# Altium PCB Digitalizador_RPi.PcbDoc (part 1 of 3) (continued)
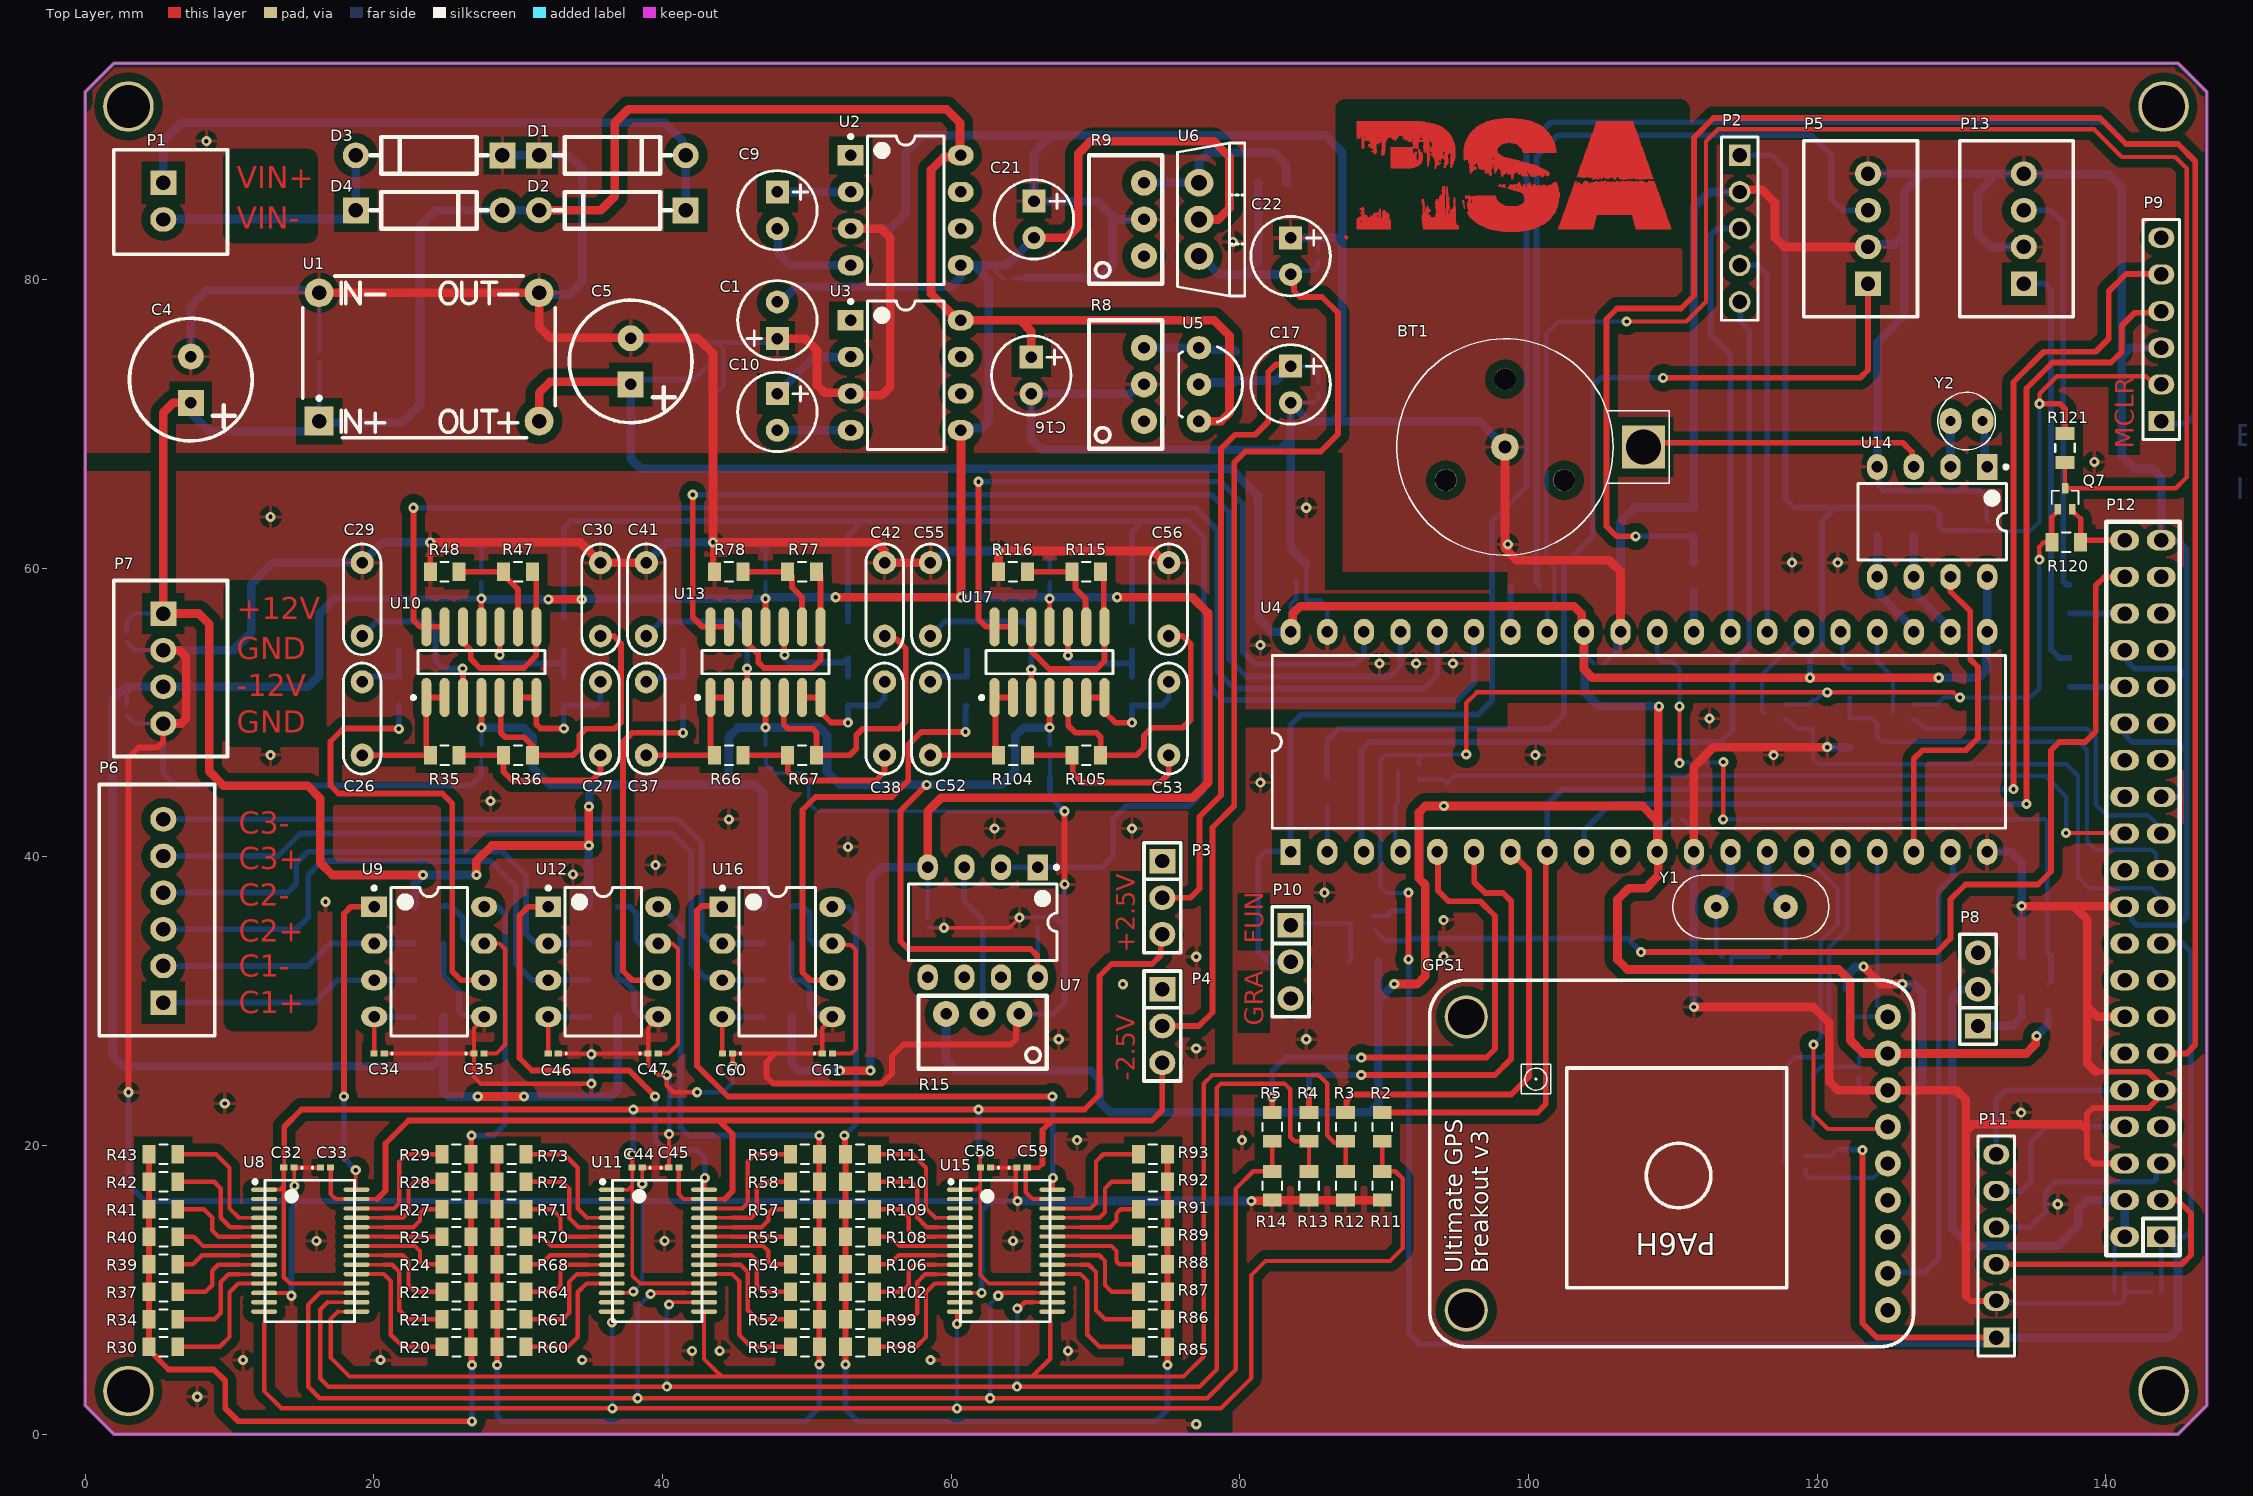
[diagram p0: Top Layer view]
## Components (designator, comment, footprint, x,y, rotation, side; value= is the part's Value field where it differs from the comment) (continued)
R66 "Res1" 0805 44.595,47.055 r0 top value=5.6K
R67 "Res1" 0805 49.675,47.055 r0 top value=68K
R68 "" 0805 29.545,11.78 r0 top value=R12
R69 "Res1" 0805 52.85,51.5 r90 bottom value=1K
R70 "" 0805 29.545,13.685 r0 top value=R13
R71 "" 0805 29.545,15.59 r0 top value=R14
R72 "" 0805 29.545,17.495 r0 top value=R15
R73 "" 0805 29.545,19.4 r0 top value=R16
R74 "Res1" 0805 52.85,55.31 r270 bottom value=1K
R75 "Res1" 0805 35.895,28.925 r180 bottom value=51
R76 "Res1" 0805 35.895,36.545 r0 bottom value=51
R77 "Res1" 0805 49.675,59.755 r0 top value=1K
R78 "Res1" 0805 44.595,59.755 r180 top value=1K
R79 "Res1" 0805 126.7,63.215 r270 bottom value=4.7k
R80 "Res1" 0805 124.16,63.215 r270 bottom value=4.7k
R81 "Res1" 0805 94.315,46.07 r90 bottom value=1k
R82 "Res1" 0805 91.775,43.53 r0 bottom value=1k
R83 "Res1" 0805 119.715,49.88 r90 bottom value=1k
R84 "Res1" 0805 117.175,52.42 r0 bottom value=1k
R85 "" 0805 73.995,6.065 r180 top value=R1
R86 "" 0805 73.995,7.97 r180 top value=R2
R87 "" 0805 73.995,9.875 r180 top value=R3
R88 "" 0805 73.995,11.78 r180 top value=R4
R89 "" 0805 73.995,13.685 r180 top value=R5
R90 "Res1" 0805 47.96,34.005 r180 bottom value=51.1K
R91 "" 0805 73.995,15.59 r180 top value=R6
R92 "" 0805 73.995,17.495 r180 top value=R7
R93 "" 0805 73.995,19.4 r180 top value=R8
R94 "Res1" 0805 128.605,49.88 r90 bottom value=1k
R95 "Res1" 0805 126.065,52.42 r0 bottom value=1k
R96 "Res1" 0805 91.775,35.275 r90 bottom value=10k
R97 "Res1" 0805 88.6,32.735 r0 bottom value=10k
R98 "" 0805 53.675,6.065 r0 top value=R9
R99 "" 0805 53.675,7.97 r0 top value=R10
R100 "Res1" 0805 61.105,51.5 r90 bottom value=5.6K
R101 "Res1" 0805 61.105,55.31 r90 bottom value=47K
R102 "" 0805 53.675,9.875 r0 top value=R11
R103 "Res1" 0805 47.96,31.465 r0 bottom value=51.1K
R104 "Res1" 0805 64.28,47.055 r0 top value=5.6K
R105 "Res1" 0805 69.36,47.055 r0 top value=68K
R106 "" 0805 53.675,11.78 r0 top value=R12
R107 "Res1" 0805 72.535,51.5 r90 bottom value=1K
R108 "" 0805 53.675,13.685 r0 top value=R13
R109 "" 0805 53.675,15.59 r0 top value=R14
R110 "" 0805 53.675,17.495 r0 top value=R15
R111 "" 0805 53.675,19.4 r0 top value=R16
R112 "Res1" 0805 72.535,55.31 r270 bottom value=1K
R113 "Res1" 0805 47.96,28.925 r180 bottom value=51
R114 "Res1" 0805 47.96,36.545 r0 bottom value=51
R115 "Res1" 0805 69.36,59.755 r0 top value=1K
R116 "Res1" 0805 64.28,59.755 r180 top value=1K
R117 "Res1" 0805 137.495,52.785 r270 bottom value=5k
R118 "Res1" 0805 137.495,57.865 r270 bottom value=5k
R119 "Res1" 0805 122.065,29.91 r270 bottom value=1k
R120 "Res1" 0805 137.26,61.8 r180 top value=10k
R121 "Res1" 0805 137.175,68.328 r90 top value=10k
U1 "STEP_DOWN_CONVERTER" STEP_DOWN_CONVERTER 15.08,69.035 r0 top
U2 "TC7662ACPA" DIP-8 56.85,84.805 r0 top
U3 "TC7662ACPA" DIP-8 56.85,73.375 r0 top
U4 "DSPIC30F3014-20I/P" DIP-40 83.52,40.355 r90 top
U5 "LM317LZ" TO-92B_2 77.17,72.74 r0 top
U6 "LM337H" TO-220V 77.17,86.71 r270 top
U7 "TL082D" DIP-8 62.185,35.475 r270 top
U8 "MULTIPLEXORADG706" MULTIPLEXORADG706SMD 12.4,16.95 r0 top
U9 "INA114" DIP-8 23.83,32.735 r0 top
U10 "TL084ACN" SOIC-14 23.64,51.045 r90 top
U11 "MULTIPLEXORADG706" MULTIPLEXORADG706SMD 36.48,16.95 r0 top
U12 "INA114" DIP-8 35.895,32.735 r0 top
U13 "TL084ACN" SOIC-14 43.325,51.045 r90 top
U14 "DS1307" DIP-8 127.97,63.215 r270 top
U15 "MULTIPLEXORADG706" MULTIPLEXORADG706SMD 60.61,16.95 r0 top
U16 "INA114" DIP-8 47.96,32.735 r0 top
U17 "TL084ACN" SOIC-14 63.01,51.045 r90 top
Y1 "XTAL-15MHz" CRISTAL10MHz 117.81,36.545 r180 top
Y2 "XTAL-32768" CRISTAL32768 129.24,70.2 r0 top

## Footprints (in the part's own frame and the unit in brackets; to place one, negate y for a bottom-side part, rotate by r counter-clockwise, add the part's x,y. Pads: shape width x height; smd on the part's side, far side on the other; paste and mask are expansions set on the pad)
0603 [mm] "Chip Inductor, Body 0.6x0.3mm, IPC High Density"
  rect 0.5x0.4 smd: 1(-0.35,0) 2(0.35,0)
  silkscreen extent -0.9,-0.05 -0.9,0.05, body extent -0.33,-0.18 0.33,0.18, height 0.55
0805 [mm] "Chip Resistor, Empaque 0805"
  rect 0.9x1.3 smd: 1(-1,0) 2(1,0)
  silkscreen extent -0.28,-0.67 0.3,0.67, body extent -1,-0.63 1,0.62, height 0.78
Bateria-DS1307 [mm]
  rect 3x3 hole 2.4: 0(0,0)
  round 1.9 hole 0.9: 1(9.6,0)
  round 1.524 hole 1.5: 2(5.5,2.3) 3(13.7,2.3) 4(9.6,-4.7)
  silkscreen extent -1.78,-7.5 17.1,7.5, body extent -1.8,-7.43 17.24,7.63, height 4.31
CAP_5.5MM [mm] "1-10-47uF"
  rect 1.6x1.6 hole 0.8: 1(0,0)
  round 1.6 hole 0.8: 2(2.54,0)
  silkscreen extent -1.48,-2.75 4.02,2.75, body extent -1.48,-2.75 4.02,2.75, height 12
CAP_8.5mm [mm] "330-470uF 25V"
  rect 1.8x1.8 hole 0.8: 1(1.6,0)
  round 1.8 hole 0.8: 2(-1.6,0)
  silkscreen extent -4.25,-4.25 4.25,4.25, body extent -4.25,-4.25 4.25,4.25, height 12.5
CRISTAL10MHz [mm]
  round 1.7 hole 0.7: 1(0,0) 2(4.8,0)
  silkscreen extent -3,-2.2 7.8,2.2
CRISTAL32768 [mm]
  oval 1.5x1.8 hole 0.7: 1(0,0) 2(2.222,0)
  silkscreen extent -0.88,-2 3.11,2
DIODE-0.4A [mm]
  rect 1.8x1.8 hole 1: 1(0,0)
  round 1.8 hole 1: 2(10.16,0)
  silkscreen extent 1.02,-1.27 9.14,1.27
DIP-8 [mm] "DIP; 8 Leads; Row Spacing 7.62 mm; Pitch 2.54 mm"
  rect 1.8x1.4 hole 0.8: 1(-3.81,3.81)
  oval 1.8x1.4 hole 0.8: 2(-3.81,1.27) 3(-3.81,-1.27) 4(-3.81,-3.81) 5(3.81,-3.81) 6(3.81,-1.27) 7(3.81,1.27) 8(3.81,3.81)
  silkscreen extent -3.93,-5.15 2.65,5.23, body extent -3.6,-5.15 3.6,5.15, height 5.08
DIP-40 [mm]
  rect 1.8x1.4 hole 0.8: 1(0,0)
  oval 1.8x1.4 hole 0.8: 2(0,-2.54) 3(0,-5.08) 4(0,-7.62) 5(0,-10.16) 6(0,-12.7) 7(0,-15.24) 8(0,-17.78) 9(0,-20.32) 10(0,-22.86) 11(0,-25.4) 12(0,-27.94) 13(0,-30.48) 14(0,-33.02) 15(0,-35.56) 16(0,-38.1) 17(0,-40.64) 18(0,-43.18) 19(0,-45.72) 20(0,-48.26) 21(15.24,-48.26) 22(15.24,-45.72) 23(15.24,-43.18) 24(15.24,-40.64) 25(15.24,-38.1) 26(15.24,-35.56) 27(15.24,-33.02) 28(15.24,-30.48) 29(15.24,-27.94) 30(15.24,-25.4) 31(15.24,-22.86) 32(15.24,-20.32) 33(15.24,-17.78) 34(15.24,-15.24) 35(15.24,-12.7) 36(15.24,-10.16) 37(15.24,-7.62) 38(15.24,-5.08) 39(15.24,-2.54) 40(15.24,0)
  silkscreen extent 1.63,-49.53 13.6,1.27
GPS_BREAKOUT_V3 [mm]
  round 1.8 hole 1: 0(0,0) 1(0,2.54) 2(0,5.08) 3(0,7.62) 4(0,10.16) 5(0,12.7) 6(0,15.24) 7(0,17.78) 8(0,20.32)
  round 3 hole 2.5: 9(29.21,0) 10(29.21,20.32)
  silkscreen extent -1.78,-2.54 31.75,22.86
HDR1X5 [mm] "Connector; Header; 5 Position"
  rect 1.5x1.5 hole 1: 1(0,0)
  round 1.5 hole 1: 2(2.54,0) 3(5.08,0) 4(7.62,0) 5(10.16,0)
  silkscreen extent -1.27,-1.27 11.43,1.27
HDR1X6 [mm] "Connector; Header; 6 Position"
  rect 1.4x1.8 hole 1: 1(0,0)
  oval 1.4x1.8 hole 1: 2(2.54,0) 3(5.08,0) 4(7.62,0) 5(10.16,0) 6(12.7,0)
  silkscreen extent -1.27,-1.27 13.97,1.27
MOLEX-2 [mm]
  rect 1.7x1.8 hole 1: 1(0,0)
  oval 1.7x1.8 hole 1: 2(2.54,0)
  silkscreen extent -2.29,-3.43 4.95,4.44, body extent -2.31,-3.5 4.9,4.4, height 10.4
MOLEX-4 [mm]
  rect 1.7x1.8 hole 1: 1(0,0)
  oval 1.7x1.8 hole 1: 2(2.54,0) 3(5.08,0) 4(7.62,0)
  silkscreen extent -2.29,-3.43 9.91,4.45, body extent -2.33,-3.5 9.96,4.4, height 10.5
MOLEX-6 [mm]
  rect 1.7x1.8 hole 1: 1(0,0)
  oval 1.7x1.8 hole 1: 2(2.54,0) 3(5.08,0) 4(7.62,0) 5(10.16,0) 6(12.7,0)
  silkscreen extent -2.29,-3.56 15.11,4.44, body extent -2.33,-3.5 15.04,4.4, height 10.4
MULTIPLEXORADG706SMD [mm]
  oval 1.8x0.3 smd: 1(0,0) 2(0,-0.65) 3(0,-1.3) 4(0,-1.95) 5(0,-2.6) 6(0,-3.25) 7(0,-3.9) 8(0,-4.55) 9(0,-5.2) 10(0,-5.85) 11(0,-6.5) 12(0,-7.15) 13(0,-7.8) 14(0,-8.45) 15(6.4,-8.45) 16(6.4,-7.8) 17(6.4,-7.15) 18(6.4,-6.5) 19(6.4,-5.85) 20(6.4,-5.2) 21(6.4,-4.55) 22(6.4,-3.9) 23(6.4,-3.25) 24(6.4,-2.6) 25(6.4,-1.95) 26(6.4,-1.3) 27(6.4,-0.65) 28(6.4,0)
  silkscreen extent -0.75,-9.15 6.25,0.67, body extent 0.7,-9.15 5.7,0.65, height 2.65
RAD0.2 [mm]
  round 1.6 hole 0.8: 1(0,0) 2(5.08,0)
  silkscreen extent -1.3,-1.3 6.38,1.3
SIP-1X3-M [mm]
  rect 1.7x1.8 hole 1: 1(0,0)
  oval 1.7x1.8 hole 1: 2(2.54,0) 3(5.08,0)
  silkscreen extent -1.27,-1.27 6.35,1.27, body extent -1.12,-1.16 6.2,1.16, height 10.04
SIP-2X20-M [mm]
  rect 1.4x2 hole 1: 1(0,0)
  oval 1.4x2 hole 1: 2(0,2.54) 3(2.54,0) 4(2.54,2.54) 5(5.08,0) 6(5.08,2.54) 7(7.62,0) 8(7.62,2.54) 9(10.16,0) 10(10.16,2.54) 11(12.7,0) 12(12.7,2.54) 13(15.24,0) 14(15.24,2.54) 15(17.78,0) 16(17.78,2.54) 17(20.32,0) 18(20.32,2.54) 19(22.86,0) 20(22.86,2.54) 21(25.4,0) 22(25.4,2.54) 23(27.94,0) 24(27.94,2.54) 25(30.48,0) 26(30.48,2.54) 27(33.02,0) 28(33.02,2.54) 29(35.56,0) 30(35.56,2.54) 31(38.1,0) 32(38.1,2.54) 33(40.64,0) 34(40.64,2.54) 35(43.18,0) 36(43.18,2.54) 37(45.72,0) 38(45.72,2.54) 39(48.26,0) 40(48.26,2.54)
  silkscreen extent -1.27,-1.27 49.53,3.81, body extent -1.27,-1.27 49.53,3.81, height 9.2
SOIC-14 [mm]
  oval 2.7x0.7 smd: 1(0,0) 2(0,-1.27) 3(0,-2.54) 4(0,-3.81) 5(0,-5.08) 6(0,-6.35) 7(0,-7.62) 8(4.9,-7.62) 9(4.9,-6.35) 10(4.9,-5.08) 11(4.9,-3.81) 12(4.9,-2.54) 13(4.9,-1.27) 14(4.9,0)
  silkscreen extent -0.12,-8.21 3.25,1.02, body extent 0.45,-8.19 4.45,0.57, height 1.75
SOT23-3L [mm] "SOT23, 3-Leads, Body 2.9x1.3mm, Pitch 0.95mm, Lead Span 2.5mm, IPC High Density"
  rect 0.7x1.2 smd: 1(0,0.9) 2(-0.95,-0.9) 3(0.95,-0.9)
  silkscreen extent -1.92,-1.02 1.5,0.7, body extent -1.46,-1.27 1.46,1.21, height 1
SOT523 [mm] "3 Lead SC75; EIAJ-SC75; SOT523; SOT416?"
  round 0.254 on Mech15: 0(0,0)
  rrect25% 0.75x0.45 smd: 1(-0.725,0.5) 2(-0.725,-0.5) 3(0.725,0)
  silkscreen extent -0.37,-0.92 0.55,0.93, body extent -0.85,-0.83 0.85,0.82, height 0.9
STEP_DOWN_CONVERTER [mm]
  rect 2x2 hole 1: 1(1.13,1.165)
  round 2 hole 1: 2(1.13,10.055) 3(16.37,1.165) 4(16.37,10.055)
  silkscreen extent 0,0 17.5,11.22, body extent -0.14,-0.1 17.64,11.33, height 6.63
TO-92B_2 [mm] "LM317"
  oval 1.7x1.6 hole 0.8: 1(0,2.54) 2(0,-2.54) 3(0,0)
  silkscreen extent -1.4,-2.61 3.02,2.61, body extent -1.35,-2.78 2.6,2.78, height 8.4
TO-220V [mm]
  oval 1.9x2 hole 1.1: 1(0,0) 2(5.08,0) 3(2.54,0)
  silkscreen extent -2.75,-1.48 7.83,3.17, body extent -2.56,-1.8 7.6,2.8, height 18.9
VR-5t [mm]
  round 1.8 hole 0.8: 1(0,0) 2(5.08,0) 3(2.54,0)
  silkscreen extent -1.9,-3.81 6.99,1.27, body extent -1.9,-3.81 6.99,1.27, height 9.7

## Part data
BT1: library part BateriaDS1307
C1 C4 C5 C9 C10 C16 C17 C21 C22: "Polarized Capacitor (Radial)", LatestRevisionDate=17-Jul-2002, LatestRevisionNote="Re-released for DXP Platform.", PackageDescription="Polarized Capacitor (Radial); 2 Leads", PackageReference=RB7.6-15, Published=8-Jun-2000, Publisher="Altium Limited"
C2 C3 C6 C7 C8 C11 C12 C13 C14 C15 C18 C19 C20 C23 C24 C25 C26 C27 C28 C29 C30 C31 C34 C35 C36 C37 C38 C39 C40 C41 C42 C43 C46 C47 C48 C49 C50 C51 C52 C53 C54 C55 C56 C57 C60 C61: "Capacitor", LatestRevisionDate=17-Jul-2002, LatestRevisionNote="Re-released for DXP Platform.", PackageDescription="Radial Cap, Thru-Hole; 2 Leads; 0.3 in Pin Spacing", PackageReference=RAD-0.3, Published=8-Jun-2000, Publisher="Altium Limited"
C32 C33 C44 C45 C58 C59: library part "Capacitor ceramico", "Capacitor ceramico"
D1 D2 D3 D4: "1 Amp General Purpose Rectifier", Code_JEDEC=DO-204-AL, ComponentLink1Description="Manufacturer Link", ComponentLink1URL=http://www.fairchildsemi.com/, ComponentLink2Description=Datasheet, ComponentLink2URL=http://www.fairchildsemi.com/ds/1N%2F1N4001.pdf, DatasheetVersion=1998, LatestRevisionDate=17-Jul-2002, LatestRevisionNote="Re-released for DXP Platform.", PackageDescription="Diode, Axial; Body 5.2 x 2.7 mm (LxDia. max), Lead Dia. 0.86 mm (max)", PackageReference=DO-41, PackageVersion=Aug-1999, Published=8-Jun-2000, Publisher="Altium Limited"
P1: library part "Header 2", "Header, 2-Pin", LatestRevisionDate=17-Jul-2002, LatestRevisionNote="Re-released for DXP Platform.", Publisher="Altium Limited"
P2: library part "Header 5", "Header, 5-Pin", LatestRevisionDate=17-Jul-2002, LatestRevisionNote="Re-released for DXP Platform.", Publisher="Altium Limited"
P3 P4 P8 P10: library part "Header 3", "Header, 3-Pin", LatestRevisionDate=17-Jul-2002, LatestRevisionNote="Re-released for DXP Platform.", Publisher="Altium Limited"
P5 P7 P13: library part "Header 4", "Header, 4-Pin", LatestRevisionDate=17-Jul-2002, LatestRevisionNote="Re-released for DXP Platform.", Publisher="Altium Limited"
P6 P9 P11: library part "Header 6", "Header, 6-Pin", LatestRevisionDate=17-Jul-2002, LatestRevisionNote="Re-released for DXP Platform.", Publisher="Altium Limited"
P12: library part "Header 20X2", "Header, 20-Pin, Dual row", LatestRevisionDate=17-Jul-2002, LatestRevisionNote="Re-released for DXP Platform.", Publisher="Altium Limited"
Q1: library part MOSFET-P, "P-Channel MOSFET", LatestRevisionDate=17-Jul-2002, LatestRevisionNote="Re-released for DXP Platform.", PackageDescription="TO, Flat Index; 3 In-Line, Axial Leads; Body Dia. 4.6mm; Lead Dia. 0.5 mm (max)", PackageReference=E3, PackageVersion=1995/1996, Published=8-Jun-2000, Publisher="Altium Limited"
Q2 Q3 Q4 Q5 Q6 Q7: library part 2N7002T-7-F
R1 R2 R3 R4 R5 R6 R7 R10 R11 R12 R13 R14 R16 R17 R18 R19 R23 R26 R31 R32 R33 R35 R36 R38 R44 R45 R46 R47 R48 R49 R50 R56 R62 R63 R65 R66 R67 R69 R74 R75 R76 R77 R78 R79 R80 R81 R82 R83 R84 R90 R94 R95 R96 R97 R100 R101 R103 R104 R105 R107 R112 R113 R114 R115 R116 R117 R118 R119 R120 R121: "Resistor", LatestRevisionDate=17-Jul-2002, LatestRevisionNote="Re-released for DXP Platform.", PackageDescription="Axial Device, Thru-Hole; 2 Leads; 0.3 in Pin Spacing", PackageReference=AXIAL-0.3, Published=8-Jun-2000, Publisher="Altium Limited"
R8 R9 R15: "Potentiometer", LatestRevisionDate=17-Jul-2002, LatestRevisionNote="Re-released for DXP Platform.", PackageDescription="Variable Resistor, Thru-Hole; 3 Leads", PackageReference=VR5, Published=8-Jun-2000, Publisher="Altium Limited", Set Position=0.5, Sim Note="Enter the Resistance value and the set point into parameter fields."
R20 R21 R22 R24 R25 R27 R28 R29 R30 R34 R37 R39 R40 R41 R42 R43 R51 R52 R53 R54 R55 R57 R58 R59 R60 R61 R64 R68 R70 R71 R72 R73 R85 R86 R87 R88 R89 R91 R92 R93 R98 R99 R102 R106 R108 R109 R110 R111: library part Res1, "Resistor", LatestRevisionDate=17-Jul-2002, LatestRevisionNote="Re-released for DXP Platform.", PackageDescription="Axial Device, Thru-Hole; 2 Leads; 0.3 in Pin Spacing", PackageReference=AXIAL-0.3, Published=8-Jun-2000, Publisher="Altium Limited"
U2 U3: "Super Charge Pump DC-to-DC Voltage Converter, 12kHz, 8-Pin PDIP, Commercial Temperature", Supplier Part Number 1=TC7662ACPA-ND, Code_JEDEC=MS-001-BA, ComponentLink1Description=Datasheet, ComponentLink1URL=http://ww1.microchip.com/downloads/en/DeviceDoc/21468b.pdf, ComponentLink2Description="Packaging Specification", ComponentLink2URL=http://www.microchip.com/stellent/groups/techpub_sg/documents/packagingspec/en012702.pdf, ComponentLink3Description="Microchip.com Home", ComponentLink3URL=http://www.microchip.com/, DatasheetVersion="revB, Nov-2002", PackageDescription="8-Lead Plastic Dual In-Line (PA) - 300 mil Body [PDIP]", PackageReference=PDIP300-PA8, PackageVersion="revBB, Aug-2009", Published=29-Jan-2009, Publisher="Altium Limited", Supplier 1=Digi-Key, Supplier 2=Farnell, Supplier Part Number 2=1196817
U4: "High-Performance 16-bit Digital Signal Controller, 24 KB Flash, 2 KB SRAM, 1 KB EEPROM, 40-Pin PDIP, Industrial Temperature", Supplier Part Number 1=DSPIC30F3014-20IP-ND, ComponentLink1Description=Datasheet, ComponentLink1URL=http://ww1.microchip.com/downloads/en/DeviceDoc/70138F.pdf, ComponentLink2Description="Packaging Specification", ComponentLink2URL=http://www.microchip.com/stellent/groups/techpub_sg/documents/packagingspec/en012702.pdf, ComponentLink3Description="Microchip.com Home", ComponentLink3URL=http://www.microchip.com/, DatasheetVersion="revF, Apr-2008", PackageDescription="40-Lead Plastic Dual In-Line (P) - 600 mil Body [PDIP]", PackageReference=PDIP600-P40, PackageVersion="revBB, Aug-2009", Published=29-Jan-2009, Publisher="Altium Limited", Supplier 1=Digi-Key, Supplier 2=Farnell, Supplier Part Number 2=1621779
U5: "Low-Current 1.2V to 37V Voltage Regulator", ComponentLink1Description="Manufacturer Link", ComponentLink1URL=http://www.st.com/, ComponentLink2Description=Datasheet, ComponentLink2URL=http://www.st.com/stonline/products/literature/ds/2168/lm217l.pdf, DatasheetVersion=Apr-1994, LatestRevisionDate=17-Jul-2002, LatestRevisionNote="Re-released for DXP Platform.", PackageDescription="TO, Flat Index; 3 In-Line, Axial Leads; Body Dia. 4.8mm; Leads 0.51 x 0.51 mm (max)", PackageReference=TO92-132, Published=24-Aug-2001, Publisher="Altium Limited"
U6: "Three-Terminal Adjustable Negative Voltage Regulator", ComponentLink1Description="Manufacturer Link", ComponentLink1URL=http://www.st.com/, ComponentLink2Description=Datasheet, ComponentLink2URL=http://www.st.com/stonline/products/literature/ds/2167/lm137.pdf, DatasheetVersion=Mar-1993, LatestRevisionDate=17-Jul-2002, LatestRevisionNote="Re-released for DXP Platform.", PackageDescription="Can; 3 Leads; Pin Circle Dia. 5.08 mm; Lead Dia. 0.49 mm (max)", PackageReference=TO-39, Published=24-Aug-2001, Publisher="Altium Limited"
U7: "JFET-Input Operational Amplifier", Code_IPC=SOIC127P600-8, ComponentLink1Description="Manufacturer Link", ComponentLink1URL=http://www.ti.com/, ComponentLink2Description=Datasheet, ComponentLink2URL=http://www-s.ti.com/sc/ds/tl082.pdf, DatasheetVersion=Feb-1999, LatestRevisionDate=13-Apr-2006, LatestRevisionNote="IPC-7351 Footprint Added.", PackageDescription="8-Pin Small Outline Integrated Circuit 1.27 mm Pitch", PackageReference=D008, PackageVersion=Jan-1998, Published=16-Jan-2001, Publisher="Altium Limited"
U10 U13 U17: "General-Purpose J-FET Quad Operational Amplifier", ComponentLink1Description="Manufacturer Link", ComponentLink1URL=http://www.st.com/, ComponentLink2Description=Datasheet, ComponentLink2URL=http://www.st.com/stonline/products/literature/ds/2301/tl084.pdf, DatasheetVersion=Jan-1999, LatestRevisionDate=06-Jun-2005, LatestRevisionNote="Stylized 3D Model Added.", PackageDescription="DIP; 14 Leads; Row Spacing 7.62 mm; Pitch 2.54 mm", PackageReference=DIP14, PackageVersion=Jan-1997, Published=24-Aug-2001, Publisher="Altium Limited"
Y1 Y2: library part XTAL, "Crystal Oscillator", LatestRevisionDate=17-Jul-2002, LatestRevisionNote="Re-released for DXP Platform.", PackageDescription="Crystal, Thru-Hole; 2 Leads; Body 3.1 x 8.2 mm (Dia.xH)", PackageReference=R38, Published=8-Jun-2000, Publisher="Altium Limited"

## Free pads (board coordinates)
  round 3.5 hole 3: ""(3,3) ""(3,92) ""(144,3) ""(144,92)

## Via types
v1: diameter 0.7, hole 0.3, Top Layer to Bottom Layer, 172 vias

## Nets (pads, with @x,y where several pads share a name; then routed paths per layer and width w, separated by ;. In a path a pad name is that pad's centre, name@x,y a point inside that pad or via, vN(x,y) a via of type N, cw(c..) or ccw(c..) an arc to the next point about the centre after c; other vN are vias at no path point)
5V_RPi: C50.2 C51.2 P8.2 P12.2 P12.4 | length 39.1
  Bottom Layer w0.3: C50.2@140.605,9.875 C51.2@140.605,11.145 140.605,12.987 141.303,13.685 P12.2@141.305,13.685
  Bottom Layer w0.6: P8.2@131.145,30.83 129.93,30.83 129.355,30.255 129.355,14.284 130.569,13.07 136.68,13.07 138.07,14.46 138.07,15.59 138.705,16.225 P12.4@141.305,16.225 P12.2@141.305,13.685
+2.5V: C32.2 C44.2 C58.2 P3.3 U8.1 U8.18 U11.1 U11.18 U15.1 U15.18 | length 125.7
  Top Layer w0.254: U8.1@12.4,16.95 12.409,16.959 13.509,16.959 13.65,17.1 ; C32.2@13.765,18.48 13.79,18.505 13.79,19.2 ; 17.465,10.45 U8.18@18.8,10.45 ; U11.1@36.48,16.95 36.489,16.941 37.579,16.941 37.6,16.92 37.895,17.215 ; C44.2@37.895,18.48 37.895,17.215 ; U11.18@42.88,10.45 38.455,10.45 37.895,11.01 37.895,17.215 ; U15.1@60.619,16.959 61.719,16.959 ; C58.2@62.025,18.48 v1(62.025,19.5) ; 65.615,10.45 U15.18@67.01,10.45
  Top Layer w0.255: 61.719,16.959 62.025,17.265 ; C58.2@62.025,18.48 62.025,17.265 ; 65.615,10.45 62.6,10.45 62.025,11.025 62.025,17.265
  Top Layer w0.3: 13.65,17.1 13.765,17.215 ; C32.2@13.765,18.48 13.765,17.215 ; 17.465,10.45 14.2,10.45 13.765,10.885 13.765,17.215 ; C44.2@37.895,18.48 v1(37.895,19.4)
  Top Layer w0.4: 13.79,19.2 13.79,21.305 14.985,22.5 v1(37.98,22.5) v1(61.9,22.5) 69.23,22.5 70.275,23.545 70.275,31.75 71.11,32.585 73.92,32.585 74.525,33.19 74.525,34.535 P3.3@74.63,34.64
  Bottom Layer w0.4: v1(37.895,19.4) 37.98,19.485 v1(37.98,22.5) ; v1(61.9,22.5) 61.9,19.706 62.025,19.581 v1(62.025,19.5)
+3.3V: C48.2 C49.2 P11.1 P12.1 P12.17 Q2.1 Q3.1 Q4.1 Q5.1 Q6.1 Q7.1 R49.2 R81.2 R83.2 R94.2 R96.2 R120.2 | length 230.7
  Top Layer w0.3: v1(95.69,47.1) 95.69,50.67 96.425,51.405 v1(120.7,51.405) 129.442,51.405 129.792,51.055 v1(129.9,51.055) ; v1(135.4,60.6) 135.4,61.5 135.7,61.8 R120.2@136.26,61.8 ; 136.26,63.53 Q7.1@136.675,63.945
  Top Layer w0.4: v1(91.685,32.91) v1(91.685,37.53) ; v1(123.14,19.69) 123.14,7.695 124.135,6.7 P11.1@132.415,6.7 ; R120.2@136.26,61.8 136.26,63.53
  Bottom Layer w0.3: Q6.1@89.26,35.935 90.185,35.935 ; v1(91.685,37.53) 91.655,37.5 90.185,37.5 89.72,37.965 89.72,46.705 90.085,47.07 92.67,47.07 ; Q3.1@92.41,46.435 92.4,46.445 92.4,46.8 92.67,47.07 ; v1(95.69,47.1) 94.345,47.1 R81.2@94.315,47.07 92.67,47.07 ; Q4.1@117.81,50.515 117.875,50.58 119.415,50.58 R83.2@119.715,50.88 119.915,50.88 120.363,51.328 120.623,51.328 v1(120.7,51.405) ; Q2.1@119.17,19.265 120.92,19.265 121.42,19.765 R49.2@121.62,19.765 ; Q5.1@126.7,50.515 126.765,50.58 128.305,50.58 R94.2@128.605,50.88 128.78,51.055 v1(129.9,51.055) 134.765,51.055 135.4,51.69 v1(135.4,60.6) ; C49.2@143.845,9.875 C48.2@143.845,11.145 P12.1@143.845,13.685
  Bottom Layer w0.4: 90.185,35.935 90.525,36.275 R96.2@91.775,36.275 91.685,36.365 v1(91.685,37.53) ; v1(91.685,32.91) 91.7,32.895 91.7,7.045 92.5,6.245 131.96,6.245 P11.1@132.415,6.7 ; R49.2@121.62,19.765 121.657,19.727 123.102,19.727 v1(123.14,19.69) ; P12.1@143.845,13.685 144.145,13.685 145.485,13.685 145.9,14.1 145.9,33.415 145.281,34.034 143.874,34.034 P12.17@143.845,34.005
  Bottom Layer w0.6: P11.1@132.415,6.7 144.4,6.7 145,7.3 145,12.83 144.145,13.685 P12.1@143.845,13.685
+5V: C5.1 C7.2 C8.2 C12.2 C13.2 C14.2 C15.2 C36.2 C40.2 GPS1.1 P2.1 P9.2 Q1.3 R15.1 R50.2 R79.1 R80.1 R82.2 R84.2 R95.2 R97.2 R121.2 U1.3 U4.11 U4.21 U4.32 U4.40 U14.8 | length 387.1
  Top Layer w0.3: v1(135.4,71.4) 135.4,72.09 136.616,73.306 142.782,73.306 143.347,72.74 P9.2@143.845,72.74
  Top Layer w0.4: v1(135.4,71.4) 136.825,71.4 137.175,71.05 R121.2@137.175,69.328
  Top Layer w0.6: U1.3@31.45,70.2 31.45,72.165 32.2,72.915 37.625,72.915 C5.1@37.8,72.74 ; U4.40@83.52,55.595 83.673,55.748 83.673,56.873 84.168,57.368 103.154,57.368 103.687,56.835 103.687,55.748 U4.32@103.84,55.595 103.84,53 104.42,52.42 v1(119.5,52.42) v1(128.425,52.42) ; v1(90.7,31.2) 92.305,31.2 92.855,31.75 92.855,38.07 92.41,38.515 92.41,43.085 92.855,43.53 v1(94.135,43.53) 107.905,43.53 108.92,42.515 U4.11@108.92,40.355 ; v1(109.048,50.44) 108.99,50.383 108.99,40.425 U4.11@108.92,40.355 ; v1(135.21,27.6) 135.153,27.543 135.153,27.053 134.485,26.385 GPS1.1@124.9,26.385 123.21,26.385 122.295,27.3 122.295,31.41 121.505,32.2 106.864,32.2 106.17,32.895 106.17,37.05 106.953,37.833 108.166,37.833 108.4,38.067 108.4,38.12 108.98,38.7 108.98,40.295 U4.11@108.92,40.355
  Bottom Layer w0.3: C5.1@37.8,72.74 C5.1@38.15,73.09 ; C8.2@43.325,73.09 43.325,74.23 C7.2@43.325,74.93 ; U4.40@83.52,55.595 83.52,57.52 83.85,57.85 C13.2@83.9,57.85 C12.2@83.9,59.12 ; 103.84,54.085 C15.2@104.52,53.405 ; U4.11@108.92,40.355 108.98,40.415 108.98,41.705 109.885,42.61 C14.2@109.935,42.61 ; R50.2@119.715,21.305 119.715,24.922 120.258,25.465 C36.2@122.89,25.465 122.905,25.48 122.905,26.165 123.14,26.4 124.885,26.4 GPS1.1@124.9,26.385 ; 130.9,62.605 131.755,62.605 C40.2@131.78,62.58 134.765,62.58 135.4,63.215 v1(135.4,71.4)
  Bottom Layer w0.4: C5.1@38.15,73.09 42.185,73.09 43.325,74.23 ; R82.2@92.775,43.53 v1(94.135,43.53) ; P2.1@114.635,88.615 116.87,88.615 117.81,87.675 117.81,64.8 118.395,64.215 121.277,64.215 ; v1(119.5,52.42) 119.5,53.881 120.34,54.721 120.34,63.277 121.277,64.215 ; 130.9,62.605 128.8,62.605 128.47,62.935 128.47,63.735 127.99,64.215 R79.1@126.7,64.215 R80.1@124.16,64.215 121.277,64.215
  Bottom Layer w0.5: 136,28.39 Q1.3@136,29.27
  Bottom Layer w0.6: C5.1@37.8,72.74 37.8,67.6 38.5,66.9 79.37,66.9 81.273,64.997 81.273,56.572 82.25,55.595 U4.40@83.52,55.595 ; R15.1@59.645,29.125 59.645,25.91 60.355,25.2 69.675,25.2 70.275,24.6 70.275,23.03 71,22.305 89.025,22.305 89.6,22.88 89.6,30.3 ; R97.2@89.6,32.735 89.6,30.3 ; v1(90.7,31.2) 89.8,30.3 89.6,30.3 ; 103.84,54.085 U4.32@103.84,55.595 103.9,55.535 103.9,51.405 104.865,50.44 v1(109.048,50.44) ; R84.2@118.175,52.42 v1(119.5,52.42) ; R95.2@127.065,52.42 v1(128.425,52.42) 131.155,52.42 131.73,52.995 131.73,55.545 U4.21@131.78,55.595 U14.8@131.78,59.405 ; v1(135.21,27.6) 136,28.39
+12V: C4.1 C6.2 C16.1 C18.2 C25.2 C31.2 C43.2 C57.2 D2.2 D4.2 P7.1 R46.1 R76.1 R114.1 U1.1 U2.8 U3.8 U5.2 U7.8 U10.4 U13.4 U17.4 | length 301.1
  Top Layer w0.4: U10.4@27.45,51.045 27.458,51.038 27.458,48.968 v1(27.465,48.96) ; v1(47.135,48.968) U13.4@47.135,51.045 ; v1(58.3,45) 56.5,43.2 56.5,34.155 57.03,33.625 65.5,33.625 65.96,33.165 65.96,31.7 U7.8@65.995,31.665 ; v1(66.82,48.968) U17.4@66.82,51.045
  Top Layer w0.6: C4.1@7.32,71.47 6.104,71.47 5.415,70.781 P7.1@5.415,56.865 7.87,56.865 8.6,56.135 8.6,45.935 9.59,44.945 15.4,44.945 16.295,44.05 16.295,39.6 17.14,38.755 v1(23.41,38.755) ; v1(27.115,38.755) 27.1,38.77 27.1,39.72 28.18,40.8 v1(34.895,40.8) v1(34.895,43.5) ; D2.2@31.45,84.805 35.728,84.805 36.7,85.777 36.7,90.87 37.63,91.8 59.68,91.8 60.61,90.87 60.61,88.665 U2.8@60.66,88.615 60.545,88.5 59.5,88.5 58.6,87.6 58.6,79.045 60.46,77.185 U3.8@60.66,77.185 64.798,77.185 ; C16.1@65.55,74.635 65.55,76.433 64.798,77.185 ; U5.2@77.17,70.2 78.7,70.2 79.287,70.787 79.287,76.115 78.217,77.185 64.798,77.185
  Bottom Layer w0.3: C18.2@2.875,55.595 2.875,56.314 3.426,56.865 P7.1@5.415,56.865 ; U1.1@16.21,70.2 C6.2@16.21,74.295 ; C31.2@27.458,47.763 v1@27.458,48.953 ; C43.2@47.135,47.755 v1(47.135,48.968) ; U7.8@65.995,31.665 C25.2@65.995,35.125 ; C57.2@66.82,47.755 v1(66.82,48.968)
  Bottom Layer w0.4: v1@27.458,48.953 v1(27.465,48.96)
  Bottom Layer w0.6: C4.1@7.32,71.47 7.32,70.78 8.6,69.5 15.51,69.5 U1.1@16.21,70.2 16.32,70.09 21.967,70.09 23.2,71.323 23.2,83.7 24.305,84.805 D4.2@28.91,84.805 D2.2@31.45,84.805 ; R46.1@22.83,36.545 22.83,38.175 v1(23.41,38.755) v1(27.115,38.755) ; v1(27.465,48.96) 30.378,48.96 31,48.338 31,46.2 32.2,45 35.5,45 ; R76.1@34.895,36.545 v1(34.895,40.8) ; v1(34.895,43.5) 34.914,43.519 34.914,44.414 35.5,45 ; R114.1@46.96,36.545 46.96,44.42 46.38,45 43.995,45 ; v1(66.82,48.968) 66.813,48.96 65.025,48.96 64.445,48.38 64.445,45.935 63.51,45 v1(58.3,45) 52.3,45 51.4,45.9 51.4,48.44 50.873,48.968 v1(47.135,48.968) 45.225,48.968 44.595,48.338 44.595,45.6 43.995,45 ; 35.5,45 43.995,45
-2.5V: C33.2 C45.2 C59.2 P4.3 U8.27 U11.27 U15.27 | length 86.9
  Top Layer w0.254: 17.355,16.3 U8.27@18.8,16.3 20.23,16.3 ; 41.46,16.3 U11.27@42.88,16.3 44.31,16.3 ; 65.643,16.3 U15.27@67.01,16.3
  Top Layer w0.3: C33.2@17.005,18.48 17.005,16.65 17.355,16.3 ; C45.2@41.135,18.48 41.135,16.625 41.46,16.3 ; 65.643,16.3 65.165,16.777 65.165,18.43 65.215,18.48 C59.2@65.265,18.48 66.09,18.48 66.335,18.725
  Top Layer w0.4: 20.23,16.3 20.8,16.87 20.8,20.15 22.4,21.75 43.9,21.75 ; 44.31,16.3 44.85,16.84 44.85,20.8 43.9,21.75 ; 66.335,18.725 66.335,21.085 67,21.75 ; P4.3@74.63,25.75 74.63,22.46 73.92,21.75 67,21.75 ; 43.9,21.75 67,21.75
-12V: C1.2 C2.1 C19.2 C21.2 C24.2 C28.2 C39.2 C54.2 P7.3 R45.1 R75.1 R113.1 U2.5 U3.5 U6.3 U7.4 U10.11 U13.11 U17.11 | length 301.7
  Top Layer w0.3: U17.11@66.82,55.945 v1(66.82,57.9)
  Top Layer w0.4: U10.11@27.45,55.945 v1(27.45,57.9) ; U13.11@47.135,55.945 v1(47.135,57.9)
  Top Layer w0.6: v1(27.2,23.4) v1(30.4,23.4) ; v1(32.095,57.85) v1(34.405,57.85) ; v1(52,57.996) v1(60.7,57.996) 60.681,58.015 60.681,69.544 U3.5@60.66,69.565 ; v1(52.3,25.2) v1(54.4,25.2) ; U7.4@58.375,39.285 58.375,43.17 59.305,44.1 76.743,44.1 77.795,45.152 77.795,56.9 76.699,57.996 v1(71.5,57.996) ; C21.2@65.74,82.9 68,82.9 68.8,83.7 68.8,88.722 69.678,89.6 78.187,89.6 79.287,88.5 79.287,84.947 78.509,84.17 77.886,84.17 77.695,84.36 77.36,84.36 U6.3@77.17,84.17
  Bottom Layer w0.3: C19.2@2.875,50.515 2.875,51.35 3.31,51.785 ; v1(27.45,57.9) C28.2@27.45,59.055 ; v1(47.135,57.9) C39.2@47.135,59.055 ; C24.2@58.375,35.825 U7.4@58.375,39.285 ; 62.693,80.995 62.693,80.978 63.595,80.075 C2.1@63.645,80.075 ; v1(66.82,57.9) C54.2@66.82,59.055
  Bottom Layer w0.4: 17.28,57.9 v1(27.45,57.9)
  Bottom Layer w0.6: 17.28,57.9 16.21,56.83 16.21,52.565 15.43,51.785 P7.3@5.415,51.785 3.31,51.785 2.785,51.785 1.915,50.915 1.915,26.21 2.625,25.5 23.995,25.5 24.83,26.335 ; R45.1@24.83,28.925 24.83,26.335 ; v1(27.2,23.4) 25.181,23.4 24.83,23.751 24.83,26.335 ; v1(27.45,57.9) 27.477,57.9 27.527,57.85 v1(32.095,57.85) ; v1(30.4,23.4) 36.4,23.4 36.895,23.895 R75.1@36.895,28.925 ; v1(34.405,57.85) 34.432,57.85 34.482,57.9 v1(47.135,57.9) 47.162,57.9 47.258,57.996 v1(52,57.996) ; C1.2@47.96,78.455 48.231,78.455 49.276,79.5 60,79.5 60.66,80.16 U2.5@60.66,80.995 61.6,80.995 ; R113.1@48.96,28.925 48.96,25.7 49.46,25.2 v1(52.3,25.2) ; v1(54.4,25.2) 54.4,38.485 55.2,39.285 U7.4@58.375,39.285 ; U3.5@60.66,69.565 60.813,69.718 62.128,69.718 62.61,70.2 62.61,79.985 61.6,80.995 ; v1(60.7,57.996) 66.697,57.996 66.793,57.9 v1(66.82,57.9) 66.847,57.9 66.943,57.996 v1(71.5,57.996) ; C21.2@65.74,82.9 63.835,80.995 62.693,80.995 61.6,80.995
A0: R5.1 R14.2 U8.17 U11.17 U15.17 | length 114.9
  Top Layer w0.254: 17.5,9.8 U8.17@18.8,9.8 ; 41.575,9.8 U11.17@42.88,9.8 ; 65.781,9.809 67.001,9.809 U15.17@67.01,9.8
  Top Layer w0.3: 17.475,9.825 16.293,9.825 15.455,8.987 15.455,3.3 16.255,2.5 v1(38.28,2.5) v1(62.7,2.5) 77.738,2.5 79.71,4.473 79.71,17.005 80.93,18.225 R14.2@82.25,18.225 R5.1@82.25,20.305 ; v1(39.18,9.725) 39.255,9.8 41.575,9.8 ; v1(63.26,9.6) 63.368,9.6 63.577,9.809 65.781,9.809
  Bottom Layer w0.3: v1(38.28,2.5) 38.28,8.825 v1(39.18,9.725) ; v1(62.7,2.5) 62.7,9.009 63.26,9.569 v1(63.26,9.6)
A1: R4.1 R13.2 U8.16 U11.16 U15.16 | length 118.2
  Top Layer w0.254: 16.79,9.15 U8.16@18.8,9.15 ; v1@40.718,9.15 U11.16@42.88,9.15 ; 65.665,9.15 U15.16@67.01,9.15
  Top Layer w0.3: 16.79,9.15 16.293,8.653 16.293,3.862 16.855,3.3 v1(40.3,3.3) v1(64.565,3.3) 77.2,3.3 78.4,4.5 78.4,24 78.7,24.3 83.1,24.3 83.5,23.9 83.5,20.605 83.8,20.305 R4.1@84.79,20.305 R13.2@84.79,18.225 R13.2@84.59,18.225 ; v1(64.59,8.72) 64.671,8.72 65.101,9.15 65.665,9.15
  Bottom Layer w0.3: v1(40.3,3.3) 40.3,8.84 v1(40.46,9) ; v1(64.565,3.3) 64.577,3.312 64.577,8.708 v1(64.59,8.72)
A2: R3.1 R12.2 U8.15 U11.15 U15.15 | length 113.1
  Top Layer w0.254: 17.519,8.501 U8.15@18.8,8.5 U8.15@18.8,8.5 ; 42.88,7.65 U11.15@42.88,8.5 ; 66.86,7.8 66.86,8.479 66.881,8.5 U15.15@67.01,8.5
  Top Layer w0.3: 17.519,8.501 17.005,7.987 17.005,5.315 18.32,4 44.1,4 ; 42.88,7.65 42.88,5.22 43.6,4.5 44.1,4 ; 66.86,7.8 66.86,5.24 65.62,4 ; R12.2@87.33,18.225 R3.1@87.33,20.208 ; R3.1@87.33,20.305 R3.1@87.33,20.208 ; 44.1,4 65.62,4 ; 65.62,4 76.1,4 77.5,5.4 77.5,24.3 78.1,24.9 85.46,24.9 86.06,24.3 86.06,20.7 86.552,20.208 ; 86.552,20.208 R3.1@87.33,20.208 ; 86.552,20.208 R3.1@87.33,20.208 ; 86.552,20.208 R3.1@87.33,20.208
A3: R2.1 R11.2 U8.14 U11.14 U15.14 | length 117.4
  Top Layer w0.254: U8.14@12.4,8.5 12.429,8.5 12.45,8.479 12.45,7.8 ; U11.14@36.48,8.5 36.509,8.5 36.53,8.479 v1@36.53,7.8 ; v1(60.4,7.65) U15.14@60.4,8.5 ; v1(60.4,7.65) U15.14@60.4,8.5 ; v1(60.4,7.65) U15.14@60.4,8.5
  Top Layer w0.3: 12.45,7.8 12.4,7.75 12.4,3 13.6,1.8 v1(36.53,1.8) v1(60.4,1.8) 78.7,1.8 80.8,3.9 80.8,11.03 81.777,12.007 90.4,12.007 91.3,12.907 91.3,17.7 90.775,18.225 R11.2@89.87,18.225 R2.1@89.87,20.305 ; v1(36.489,7.759) v1@36.53,7.8
  Bottom Layer w0.3: v1(36.489,7.759) 36.509,7.738 36.509,1.821 v1(36.53,1.8) ; v1(60.4,1.8) v1(60.4,7.65)
C1+: P6.1 R33.1 U9.3 | length 18.1
  Bottom Layer w0.4: P6.1@5.415,29.91 15.91,29.91 17.465,31.465 U9.3@20.02,31.465 R33.1@22.83,31.465
C1-: P6.2 R23.2 U9.2 | length 18.1
  Bottom Layer w0.4: P6.2@5.415,32.45 15.425,32.45 16.98,34.005 U9.2@20.02,34.005 R23.2@22.83,34.005
C2+: P6.3 R65.1 U12.3 | length 39.7
  Bottom Layer w0.4: P6.3@5.415,34.99 14.633,34.99 15.45,35.807 15.45,38.755 16.415,39.72 28.095,39.72 29.845,37.97 29.845,32.585 30.965,31.465 U12.3@32.085,31.465 R65.1@34.895,31.465
C2-: P6.4 R56.2 U12.2 | length 36.5
  Bottom Layer w0.4: P6.4@5.415,37.53 14.01,37.53 14.633,38.153 14.633,39.577 15.41,40.355 28.899,40.355 30.545,38.709 30.545,34.68 31.075,34.15 31.94,34.15 U12.2@32.085,34.005 R56.2@34.895,34.005
C3+: P6.5 R103.1 U16.3 | length 50.9
  Bottom Layer w0.4: P6.5@5.415,40.07 13.363,40.07 14.918,41.625 40.675,41.625 41.995,40.305 41.995,32.585 42.935,31.645 43.97,31.645 U16.3@44.15,31.465 R103.1@46.96,31.465
C3-: P6.6 R90.2 U16.2 | length 48.8
  Bottom Layer w0.4: P6.6@5.415,42.61 41.07,42.61 42.7,40.98 42.7,34.715 43.219,34.196 43.959,34.196 U16.2@44.15,34.005 R90.2@46.96,34.005
Cristal1: C3.1 U4.13 Y1.2 | length 7.9
  Bottom Layer w0.3: Y1.2@113.01,36.545 113.01,33.535 113.36,33.185 113.36,33.135 113.41,33.085 C3.1@113.46,33.085
  Bottom Layer w0.6: Y1.2@113.01,36.545 113.01,36.843 114,37.833 U4.13@114,40.355
Cristal2: C11.1 U4.14 Y1.1 | length 8
  Bottom Layer w0.3: C11.1@117.335,33.085 117.385,33.085 117.435,33.135 117.435,33.185 117.81,33.56 Y1.1@117.81,36.545
  Bottom Layer w0.6: U4.14@116.54,40.355 116.54,37.815 Y1.1@117.81,36.545
CS_3.3V: P12.24 Q3.2 R81.1 | length 52.5
  Top Layer w0.3: v1@137.2,41.7 v1(137.237,41.662) 141.268,41.662 P12.24@141.305,41.625
  Bottom Layer w0.3: Q3.2@92.41,45.435 92.475,45.37 94.015,45.37 R81.1@94.315,45.07 94.87,45.625 135.8,45.625 137.26,44.165 137.26,41.76 v1@137.2,41.7
CS_5V: Q3.3 R82.1 U4.4 | length 5.8
  Bottom Layer w0.3: Q3.3@90.96,45.935 90.96,43.715 R82.1@90.775,43.53 90.775,40.72 U4.4@91.14,40.355
EN_GPS: GPS1.7 U4.19 | length 32.6
  Bottom Layer w0.4: GPS1.7@124.9,11.145 124.97,11.215 127.415,11.215 128.425,12.225 128.425,37.63 129.416,38.621 129.416,40.179 U4.19@129.24,40.355